# KiCad board chastity.kicad_pcb (continued)
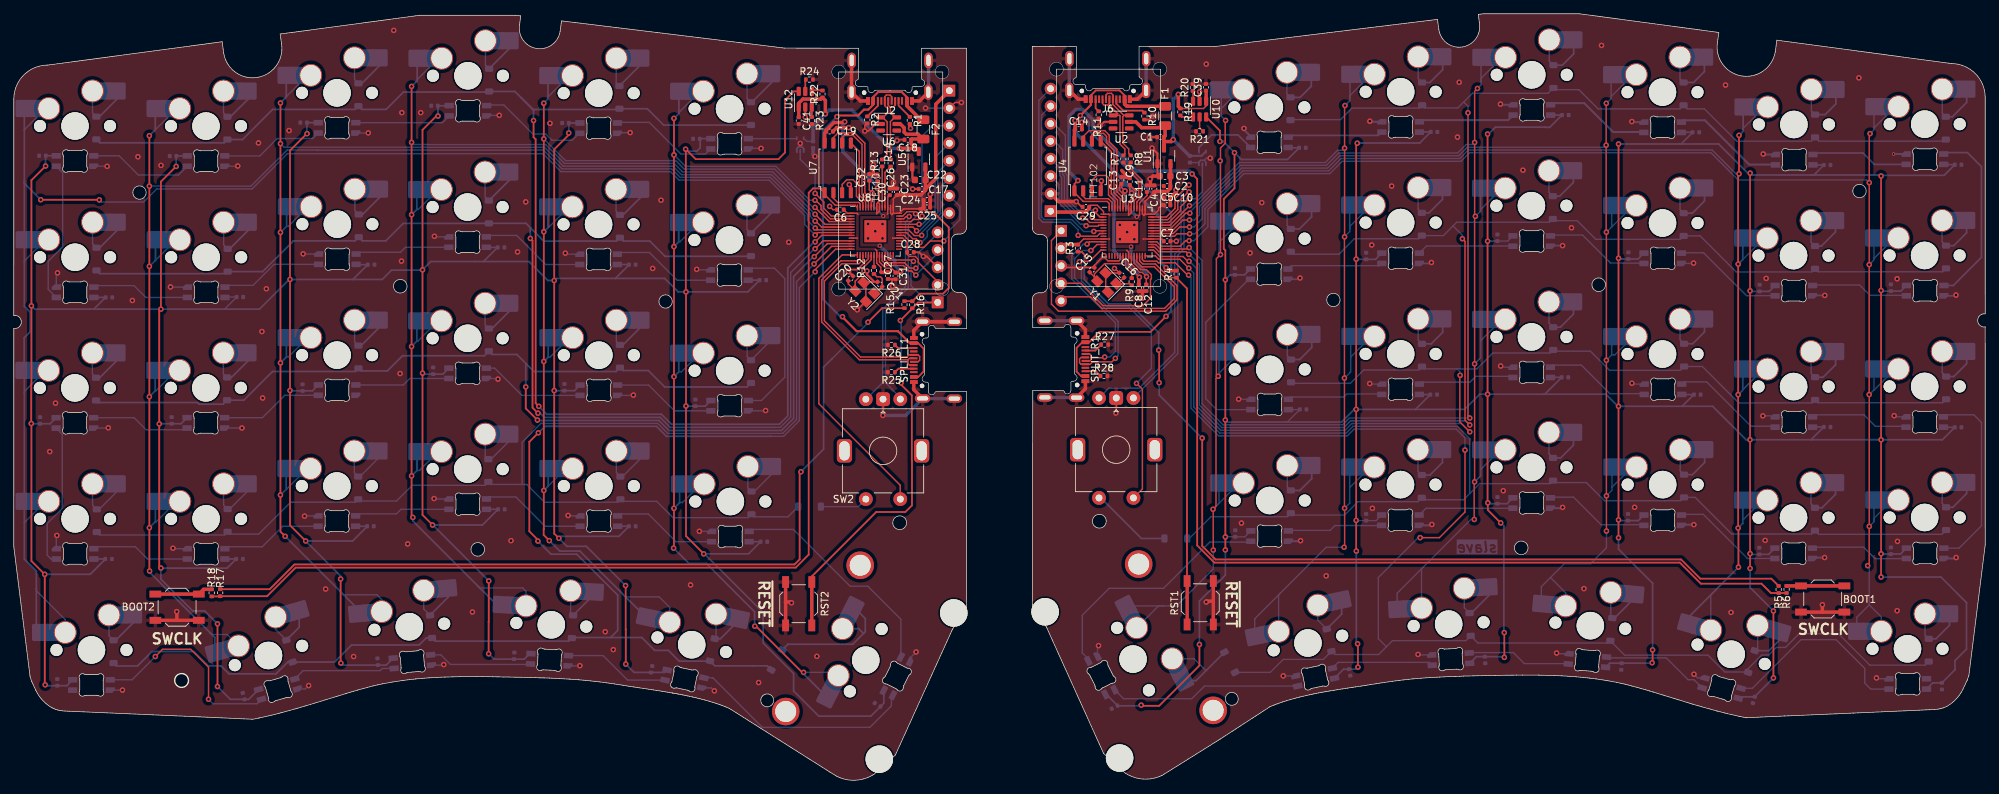
[diagram p0: board, top side]
## Routing (per net, layer and track width the routed paths; a pad name or vN(x,y) marks a point on that pad's centre or on a via; arc(x,y) is an arc through that point) (continued)
row 1: length 200.8
  Top w0.2: v1(211.3,51.55) 210.6,52.25 210.6,78.19 v1(210.23,78.56) ; U3.30 165.55,77.32 166.19,76.68 170.13,76.68 v1(170.53,76.28)
  Bottom w0.2: 223.59,81.18 226.88,81.18 229.59,78.47 241.84,78.47 D9.1 244.73,78.97 249.95,73.74 260.94,73.74 D8.1 261.83,73.76 279.91,73.76 D7.1 ; D10.1 222.87,80.96 209.41,80.96 208.87,80.42 ; 208.87,80.42 210.23,79.06 v1(210.23,78.56) ; 208.87,80.42 207.47,79.02 D11.1 203.88,78.56 194.53,78.56 192.3,76.32 185.68,76.32 D12.1 ; v1(170.53,76.28) 170.61,76.28 172.05,74.84 172.05,54.45 175.33,51.17 193.03,51.17 194.01,52.15 210.7,52.15 v1(211.3,51.55)
row 1_L: length 197.7
  Top w0.2: U8.11 117.44,78.25 v1(116.29,77.11)
  Top w0.25: v1(74.96,78.6) 75.28,78.29 75.28,54.04 v1(76.07,53.25)
  Bottom w0.2: 110.43,51.2 111.26,51.2 112.75,52.68 112.75,73.66 116.19,77.11 v1(116.29,77.11)
  Bottom w0.25: 75.07,80.06 74.34,80.79 D41.1 ; 75.07,80.06 74.96,79.96 v1(74.96,78.6) ; 75.07,80.06 76.91,78.22 87.46,78.22 D40.1 88.45,78.22 92.29,78.22 94.51,76.01 106.94,76.01 ; 68.94,80.79 56.52,80.79 53.98,78.25 50.59,78.25 D42.1 49.52,78.25 40.57,78.25 36.11,73.79 D43.1 ; 110.43,51.2 95.25,51.2 93.81,52.64 76.99,52.64 76.39,53.25 v1(76.07,53.25) ; 30.74,73.49 12.47,73.49 D44.1
row 2: length 180.3
  Top w0.2: v1(211.3,50.55) 209.86,51.99 209.86,58.71 v1(209.9,58.75) ; v1(170.56,75.28) 170.38,75.28 169.68,75.98 166.32,75.98 165.38,76.92 U3.29
  Bottom w0.2: 185.5,57.59 193.96,57.59 195.89,59.51 200.29,59.51 200.3,59.51 203.86,59.51 D17.1 ; 209.46,59.68 212.33,59.68 214.63,61.98 222.96,61.98 D16.1 ; 209.46,59.68 209.9,59.24 v1(209.9,58.75) ; 209.46,59.68 204.69,59.68 ; D13.1 279.92,54.76 261.82,54.76 D14.1 260.97,54.74 250.33,54.74 245.05,60.03 D15.1 241.84,59.46 231.58,59.46 228.79,62.25 223.58,62.25 ; v1(170.56,75.28) 170.6,75.28 171.65,74.24 171.65,54.29 175.16,50.77 193.2,50.77 194.17,51.75 210.1,51.75 v1(211.3,50.55)
row 2_L: length 180
  Top w0.2: U8.12 118.06,77.85 v1(116.17,75.96)
  Top w0.25: v1(75.99,52.26) 74.3,53.95 v1(74.3,57.07)
  Bottom w0.25: 74.36,60.41 75.48,59.29 87.4,59.29 D46.1 88.38,59.44 92.08,59.44 94.47,57.06 106.4,57.06 D45.1 ; 74.36,60.41 73.01,61.77 69.4,61.77 68.94,62.24 68.29,61.58 56.41,61.58 54.21,59.38 50.39,59.38 D48.1 49.57,59.31 37.56,59.31 33.39,55.14 D49.1 30.38,54.56 26.89,54.56 26.65,54.8 12.23,54.8 D50.1 ; 74.36,60.41 74.3,60.35 v1(74.3,57.07) ; v1(116.17,75.96) 116.05,75.96 113.17,73.08 113.17,52.51 111.41,50.75 95.07,50.75 93.62,52.19 76.23,52.19 76.17,52.26 v1(75.99,52.26)
row 3: length 195.1
  Top w0.2: U3.28 165.65,76.08 166.16,75.58 169.22,75.58 v1(170.52,74.28)
  Bottom w0.2: 185.6,38.47 193.13,38.47 195.06,40.41 203.76,40.41 D23.1 ; 211.32,41.62 211.29,41.64 211.29,49.54 209.49,51.35 194.34,51.35 193.36,50.37 175,50.37 171.25,54.12 171.25,73.56 v1(170.52,74.28) ; 211.32,41.62 210.39,40.69 204.62,40.69 ; 211.32,41.62 212.73,43.04 222.95,43.04 D22.1 ; D19.1 279.8,35.69 261.93,35.69 D20.1 260.89,35.72 249.32,35.72 244,41.04 D21.1 241.91,40.56 239.59,40.56 239.57,40.55 230.85,40.55 228.21,43.19 223.66,43.19 ; D24.1 184.82,38.24 173.74,38.24 170.58,35.08
row 3_L: length 186.5
  Top w0.2: U8.13 118.68,77.45 v1(116.14,74.9)
  Bottom w0.2: D57.1 12.46,35.58 30.57,35.58 D56.1 ; D55.1 49.56,40.34 40.17,40.34 35.55,35.71 31.35,35.71 ; 73.77,42.91 74.45,42.91 77.02,40.34 87.61,40.34 D53.1 ; 73.77,42.91 69.23,42.91 D54.1 68.38,42.79 57.82,42.79 55.55,40.51 50.23,40.51 ; 73.77,42.91 73.77,49.04 76.5,51.77 93.44,51.77 94.89,50.32 111.59,50.32 113.6,52.33 113.6,72.35 116.14,74.89 v1(116.14,74.9) ; 88.33,40.46 93.3,40.46 95.66,38.1 106.56,38.1 D52.1 107.44,38.21 112.35,38.21 D51.1
row 4: length 218.2
  Top w0.2: v1(170.49,73.28) 170.36,73.28 168.56,75.08 166.1,75.08 166.08,75.1 ; 166.08,75.1 165.87,75.31 164.02,75.31 163.78,75.55 U3.27 ; v1(210.6,47.9) 210.6,38.9 206.89,35.2 v1(204.09,35.2)
  Bottom w0.2: D30.1 182.33,15.66 184.21,17.54 190.05,17.54 D29.1 191.68,18.25 198.07,18.25 199.2,19.37 ; v1(210.6,47.9) 210.6,49.67 209.32,50.95 194.51,50.95 193.53,49.97 174.83,49.97 170.85,53.96 170.85,72.93 v1(170.49,73.28) ; 199.2,19.37 200.09,20.26 210.74,20.26 D28.1 212.48,19.91 231.36,19.91 D27.1 231.69,20.22 233.76,18.15 245.87,18.15 248.31,15.71 251.63,15.71 ; 199.2,19.37 198.02,20.54 198.02,29.41 203.81,35.2 v1(204.09,35.2) ; D25.1 277.38,16.7 269.34,16.7 264.8,21.25 259.09,21.25 257.11,19.28 255.78,19.28 254.68,18.18 253.67,18.18 251.69,16.19 D26.1
row 4_L: length 209.8
  Top w0.2: U8.14 119.27,77.05 116.3,74.08 v1(116.3,73.77)
  Top w0.25: v1(76.06,34.7) 76.06,34.88 74.81,36.12 74.81,49.09 v1(76.13,50.41)
  Bottom w0.2: v1(116.3,73.77) 114,71.47 114,52.17 111.73,49.9 109.67,49.9
  Bottom w0.25: D59.1 101.74,16.6 109.33,16.6 D58.1 ; v1(76.06,34.7) 77.95,32.8 81.7,32.8 87.64,26.85 87.64,21.74 86.61,20.7 ; D63.1 14.9,16.58 17.96,16.58 20.06,18.68 26.14,18.68 28.22,16.6 30.07,16.6 31.22,15.45 38.06,15.45 39.76,17.15 D62.1 46.55,17.15 49.03,19.63 58.83,19.63 59.85,20.65 D61.1 61.15,20.19 80.55,20.19 D60.1 ; 86.61,20.7 91.15,20.7 93,18.84 94.99,18.84 96.55,17.28 101.01,17.28 ; 86.61,20.7 81.07,20.7 ; 109.94,49.9 94.72,49.9 93.27,51.34 77.08,51.34 76.15,50.41 v1(76.13,50.41)
rst: length 26.5
  Top w0.2: U3.7 156.83,79.72 v1(156.73,79.62)
  Bottom w0.2: v1(156.73,79.62) 155.26,79.62 153.52,81.35 149.51,81.35 149.16,81.71 149.16,96.49 J1.7
rst_L: length 15.8
  Top w0.2: U8.34 129.16,79.05 130.91,77.3 132.07,77.3 132.99,78.22 v1(134.96,78.22)
  Bottom w0.2: v1(134.96,78.22) 135.65,78.91 135.65,79.66 137.3,81.32 137.3,83.26 J3.7
SK6803_EN: length 1.5
  Top w0.2: 171.14,99.97 U10.3
SK6803_EN_L: length 1.4
  Top w0.25: R23.1 U12.3
SK6803_NFAULT: length 1.9
  Top w0.2: R19.2 169.51,96.22 U10.4
SK6803_NFAULT_L: length 1.3
  Top w0.25: R22.2 117.33,100.1 116.12,100.1
Split_5v5_L: length 138
  Top w0.25: SPLIT_L1.A9 131.25,63.41 132.04,62.62 132.04,59.31 131.25,58.51 SPLIT_L1.A4 ; J6.A4 161.2,99.35 160.48,100.08 157.03,100.08 156.3,99.35 J6.A9 ; v1(167.22,67.3) 164.97,65.05 157.55,65.05 156.04,63.54 SPLIT_R1.A4 155.05,63.54 154.24,62.73 154.24,59.28 154.88,58.64 SPLIT_R1.A9
  Top w0.3: v1(154.77,96.44) 156.3,97.96 J6.A9 ; v1(119.47,96.27) 119.64,96.44 122.53,96.44 123.37,97.28 124,97.28 124.7,97.99 J2.A9 124.7,99.1 125.45,99.85 128.85,99.85 129.6,99.1 J2.A4 ; v1(120.26,67.25) 120.26,67.2 122.31,65.15 128.3,65.15 130.04,63.41 SPLIT_L1.A9
  Top w0.5: J2.A4 129.6,97.84 131.62,95.82 ; F1.1 161.68,97.77 161.65,97.8 161.49,97.8 161.2,98.09 J6.A4
  Bottom w0.3: v1(119.47,96.27) 117.42,94.22 117.42,69.81 119.98,67.25 v1(120.26,67.25) ; v1(154.77,96.44) 155,96.21 155.29,96.21 156.03,95.46 156.03,94.26 161.08,89.22 161.1,89.22 167.96,82.35 167.96,78.53 167.94,78.51 167.94,77.89 167.96,77.87 167.96,68.04 v1(167.22,67.3)
SWC: length 22.5
  Top w0.2: U3.24 162.58,75.03 163.53,74.08 164.36,74.08 165.09,73.35 165.09,72.77 164.96,72.65 164.96,69.95 163.87,68.85 158.1,68.85 154.86,72.09 J4.4
SWC_L: length 11.1
  Top w0.2: U8.24 126.03,75.35 126.7,74.68 129.1,74.68 129.89,73.88 130.3,73.88 v1(130.9,73.29)
  Bottom w0.2: v1(130.9,73.29) 134.07,76.46
SWD: length 27.5
  Top w0.2: J4.5 152.57,70.13 156.26,70.13 157.93,68.45 167,68.45 168.41,69.86 168.41,71.59 165.52,74.48 163.7,74.48 162.98,75.2 U3.25
SWD_L: length 12
  Top w0.2: v1(130.9,74.28) 130.07,74.28 129.28,75.08 126.87,75.08 126.43,75.51 U8.25
  Bottom w0.2: v1(130.9,74.28) 131.26,74.64 131.26,76.5 134.07,79.32
XIN: length 8
  Top w0.2: 157.24,72.6 C15.2 ; U3.20 160.98,75.2 160.73,74.95 158.3,74.95 156.83,73.47 156.83,72.8
XIN_L: length 8
  Top w0.2: Y2.3 121.11,72.02 C20.2 ; U8.20 124.43,75.51 123.11,74.19 123.11,73.4 122.1,72.4 122.1,71.02
XOUT: length 3.6
  Top w0.2: R9.1 162.24,73.53 161.38,74.39 U3.21
XOUT_L: length 1.7
  Top w0.2: U8.21 124.83,74.47
Net-(BOOT1-Pad2): length 8.4
  Top w0.5: 257.28,28.2 BOOT1.2 BOOT1.2
Net-(BOOT2-Pad2): length 8.5
  Top w0.5: BOOT2.2 BOOT2.2 27.54,27.7 R18.2
Net-(C16-Pad1): length 3.6
  Top w0.2: Y1.1 162.03,72.03 R9.2 ; 160.23,72.03 C16.1
Net-(C21-Pad1): length 4
  Top w0.2: R12.2 125.24,73.04 125.77,73.04 126.03,72.78 126.03,71.63 ; C21.1 125.05,70.65
Net-(D1-A): length 10
  Bottom w0.2: D1.2 279.86,96.77 279.86,100.26
  Bottom w0.25: MX1.2 283.41,98.34 281.32,96.25 D1.2
Net-(D2-A): length 9.6
  Bottom w0.2: D2.2 260.87,97.11 MX2.2
  Bottom w0.25: MX2.2 264.42,98.13 262.86,96.57 D2.2
Net-(D3-A): length 9.7
  Bottom w0.2: MX3.2 241.8,101.74 D3.2
  Bottom w0.25: MX3.2 245.35,102.8 243.77,101.23 D3.2
Net-(D4-A): length 9.6
  Bottom w0.2: MX4.2 222.83,104.34 D4.2
  Bottom w0.25: MX4.2 226.38,105.39 224.73,103.74 D4.2
Net-(D5-A): length 9.6
  Bottom w0.2: MX5.2 203.81,101.8 D5.2
  Bottom w0.25: MX5.2 207.36,103.08 205.5,101.23 D5.2
Net-(D6-A): length 9.6
  Bottom w0.2: D6.2 184.75,99.6 MX6.2
  Bottom w0.25: 188.3,102.7 188.3,100.7 186.67,99.07 D6.2
Net-(D7-A): length 9.4
  Bottom w0.2: D7.2 279.84,78.13 MX7.2
  Bottom w0.25: 283.39,81.21 283.39,79.41 281.54,77.56 D7.2
Net-(D8-A): length 9.4
  Bottom w0.2: MX8.2 260.82,78.08 D8.2
  Bottom w0.25: MX8.2 264.37,79.55 262.32,77.5 D8.2
Net-(D9-A): length 9.5
  Bottom w0.2: 241.81,85.92 241.81,82.79 D9.2
  Bottom w0.25: D9.2 243.59,82.27 245.36,84.03 MX9.2
Net-(D10-A): length 9.5
  Bottom w0.2: D10.2 222.78,85.3 MX10.2
  Bottom w0.25: MX10.2 226.33,86.73 224.33,84.73 D10.2
Net-(D11-A): length 9.3
  Bottom w0.2: D11.2 203.8,82.86 MX11.2
  Bottom w0.25: D11.2 205.37,82.32 207.34,84.29 207.34,85.86
Net-(D12-A): length 9.6
  Bottom w0.2: MX12.2 184.79,80.51 D12.2
  Bottom w0.25: D12.2 186.57,79.98 188.34,81.75 MX12.2
Net-(D13-A): length 9.4
  Bottom w0.2: D13.2 279.85,59.14 MX13.2
  Bottom w0.25: MX13.2 283.4,60.43 281.54,58.57 D13.2
Net-(D14-A): length 9.6
  Bottom w0.2: D14.2 260.83,59.05 MX14.2
  Bottom w0.25: D14.2 262.58,58.48 264.38,60.28 MX14.2
Net-(D15-A): length 9.4
  Bottom w0.2: D15.2 241.81,63.91 241.81,66.91
  Bottom w0.25: D15.2 243.64,63.33 245.36,65.04 MX15.2
Net-(D16-A): length 9.4
  Bottom w0.2: MX16.2 222.79,66.35 D16.2
  Bottom w0.25: MX16.2 226.34,67.62 224.44,65.73 D16.2
Net-(D17-A): length 9.5
  Bottom w0.2: D17.2 203.81,63.86 MX17.2
  Bottom w0.25: D17.2 205.69,63.31 207.36,64.98 MX17.2
Net-(D18-A): length 9.5
  Bottom w0.2: 184.81,64.68 184.81,61.58 D18.2
  Bottom w0.25: D18.2 186.61,61.03 188.36,62.78 MX18.2
Net-(D19-A): length 9.3
  Bottom w0.2: D19.2 279.85,40.16 MX19.2
  Bottom w0.25: MX19.2 283.4,41.6 281.4,39.6 D19.2
Net-(D20-A): length 9.4
  Bottom w0.2: MX20.2 260.82,40.1 D20.2
  Bottom w0.25: MX20.2 264.37,41.49 262.41,39.53 D20.2
Net-(D21-A): length 9.5
  Bottom w0.2: D21.2 241.83,44.89 MX21.2
  Bottom w0.25: D21.2 243.61,44.34 245.38,46.1 MX21.2
Net-(D22-A): length 9.5
  Bottom w0.2: MX22.2 222.79,47.35 D22.2
  Bottom w0.25: D22.2 224.48,46.77 226.34,48.62 MX22.2
Net-(D23-A): length 9.6
  Bottom w0.2: D23.2 203.78,44.83 MX23.2
  Bottom w0.25: MX23.2 207.33,46.09 205.52,44.28 D23.2
Net-(D24-A): length 9.5
  Bottom w0.2: D24.2 184.81,42.57 184.81,45.66
  Bottom w0.25: D24.2 186.64,42.05 188.36,43.76 MX24.2
Net-(D25-A): length 9.3
  Bottom w0.2: D25.2 277.36,21.06 277.36,24.15
  Bottom w0.25: MX25.2 280.91,22.49 278.94,20.52 D25.2
Net-(D26-A): length 8.4
  Bottom w0.2: D26.2 253.07,19.22 MX26.2
  Bottom w0.25: D26.2 254.7,18.8 256.48,20.58
Net-(D27-A): length 8.1
  Bottom w0.2: D27.2 231.76,23.75 MX27.2
  Bottom w0.25: 235.3,26.54 232.29,23.53
Net-(D28-A): length 8.8
  Bottom w0.2: MX28.2 210.5,25.01 D28.2
  Bottom w0.25: MX28.2 214.05,26.79 211.51,24.25
Net-(D29-A): length 9.1
  Bottom w0.2: D29.2 189.24,23.23 MX29.2
  Bottom w0.25: D29.2 192.71,24.11 MX29.2
Net-(D30-A): length 13.3
  Bottom w0.2: MX30.2 171.29,17.63 172.97,15.95 173.07,15.95
  Bottom w0.25: D30.2 171.58,14.46 MX30.2
Net-(D31-A): length 11.9
  Bottom w0.25: D31.2 163.64,35.08 157.76,40.96 SW1.S1
Net-(D33-A): length 9.7
  Bottom w0.2: MX31.2 106.42,98.92 D33.2
  Bottom w0.25: MX31.2 109.97,101.22 107.11,98.36
Net-(D34-A): length 8.6
  Bottom w0.2: 87.43,104.76 87.43,101.19 D34.2
  Bottom w0.25: D34.2 90.98,103.81
Net-(D35-A): length 8.5
  Bottom w0.2: D35.2 68.45,103.76 MX33.2
  Bottom w0.25: D35.2 72,106.24
Net-(D36-A): length 9.2
  Bottom w0.2: 49.45,104.8 49.45,101.66 D36.2
  Bottom w0.25: 53,104.8 53,103.59 50.51,101.1 D36.2
Net-(D37-A): length 8.8
  Bottom w0.2: MX35.2 30.44,96.81 31,96.25
  Bottom w0.25: 31.44,96.25 33.99,98.8 MX35.2
Net-(D38-A): length 8.7
  Bottom w0.2: MX36.2 11.43,96.83 11.98,96.28
  Bottom w0.25: 12.44,96.28 14.98,98.81 MX36.2
Net-(D39-A): length 9.7
  Bottom w0.2: MX37.2 106.4,79.92 D39.2
  Bottom w0.25: MX37.2 109.95,82.31 D39.2
Net-(D40-A): length 8.7
  Bottom w0.2: D40.2 87.41,82.56 MX38.2
  Bottom w0.25: 88.43,82.01 90.96,84.54 MX38.2
Net-(D41-A): length 9.7
  Bottom w0.2: MX39.2 68.4,84.64 D41.2
  Bottom w0.25: MX39.2 71.95,87.1 D41.2
Net-(D42-A): length 9.1
  Bottom w0.2: MX40.2 49.5,82.65 50.06,82.09
  Bottom w0.25: 50.06,82.09 50.63,82.09 53.05,84.51 MX40.2
Net-(D43-A): length 9.5
  Bottom w0.2: D43.2 30.46,77.67 MX41.2
  Bottom w0.25: MX41.2 34.01,79.78 31.02,76.79
Net-(D44-A): length 8.7
  Bottom w0.2: D44.2 11.44,77.83 MX42.2
  Bottom w0.25: MX42.2 14.99,79.77 12.48,77.26
Net-(D45-A): length 8
  Bottom w0.2: MX43.2 106.43,61.49 D45.2 109.98,63.93
Net-(D46-A): length 7.5
  Bottom w0.2: D46.2 87.45,63.67 MX44.2
  Bottom w0.25: 88.4,63.16 91,65.75
Net-(D47-A): length 7.5
  Bottom w0.2: MX45.2 68.4,66.07 D47.2
  Bottom w0.25: 69.41,65.54 71.95,68.08
Net-(D48-A): length 7.6
  Bottom w0.2: MX46.2 49.46,63.61 D48.2
  Bottom w0.25: 50.4,63.05 53.01,65.66
Net-(D49-A): length 9
  Bottom w0.2: MX47.2 30.41,58.98 D49.2
  Bottom w0.25: D49.2 31.58,58.44 33.96,60.82 MX47.2
Net-(D50-A): length 7.9
  Bottom w0.2: D50.2 11.4,58.93 MX48.2
  Bottom w0.25: 14.95,60.89 12.47,58.4 D50.2
Net-(D51-A): length 7
  Bottom w0.2: D51.2 122.56,39.7 SW2.S1
Net-(D52-A): length 7.5
  Bottom w0.2: D52.2 106.53,42.42 MX49.2 ; 107.48,41.89 110.08,44.5
Net-(D53-A): length 7.7
  Bottom w0.2: MX50.2 87.45,44.64 D53.2 ; 88.34,44.06 91,46.72
Net-(D54-A): length 7.6
  Bottom w0.2: 69.26,46.58 71.96,49.28 ; D54.2 68.41,47.04 MX51.2
Net-(D55-A): length 7.8
  Bottom w0.2: MX52.2 49.42,44.62 D55.2 ; 50.24,44.06 52.97,46.79
Net-(D56-A): length 7.7
  Bottom w0.2: MX53.2 30.44,39.92 D56.2 ; 31.32,39.34 33.99,42.01
Net-(D57-A): length 7.6
  Bottom w0.2: 12.39,39.31 14.98,41.9 ; MX54.2 11.43,39.91 D57.2
Net-(D58-A): length 20.8
  Bottom w0.25: 123.32,21.3 123.57,21.55 123.57,23.46 MX55.2 ; 123.32,21.3 121.75,19.73 112.35,19.73 D58.2 ; 123.32,21.3 122.62,21.99 MX55.2
Net-(D59-A): length 8.5
  Bottom w0.2: D59.2 101.92,20.73 MX56.2
  Bottom w0.25: MX56.2 102.56,20.53 D59.2
Net-(D60-A): length 8.2
  Bottom w0.2: D60.2 80.81,24.28 MX57.2
  Bottom w0.25: D60.2 84.35,27.11
Net-(D61-A): length 9
  Bottom w0.2: MX58.2 59.49,24.85 D61.2
  Bottom w0.25: MX58.2 63.02,26.55 D61.2
Net-(D62-A): length 9.1
  Bottom w0.2: MX59.2 38.01,21.87 D62.2
  Bottom w0.25: MX59.2 41.42,22.19 D62.2
Net-(D63-A): length 7.6
  Bottom w0.2: 14.47,20.31 13.81,20.97 MX60.2
  Bottom w0.25: 14.79,20.31 17.36,22.88
Net-(J2-CC1): length 2.3
  Top w0.25: 130.04,96.24 128.4,97.88
Net-(J2-CC2): length 2.9
  Top w0.25: R2.1 125.4,97.85 J2.B5
Net-(J6-CC1): length 5.3
  Top w0.25: R10.1 163.79,97.14 161,97.14 160,98.14 J6.A5
Net-(J6-CC2): length 1.9
  Top w0.25: J6.B5 157,97.49 R11.1
Net-(LED1-DOUT): length 15.5
  Bottom w0.2: 87.58,95.44 92.22,95.44 96.81,90.85 100.38,90.85 100.93,91.4
Net-(LED2-DOUT): length 15.8
  Bottom w0.2: 81.95,93.75 81.05,92.85 78.1,92.85 77.2,93.75 76.76,93.75 76.76,93.75 75.34,93.75 71.14,97.95 68.59,97.95
Net-(LED3-DOUT): length 14
  Bottom w0.2: LED3.2 62.2,95.39 LED4.3
Net-(LED4-DOUT): length 14.9
  Bottom w0.2: LED4.2 43.39,93.1 38.23,93.1 35.7,90.57 LED5.3
Net-(LED5-DOUT): length 15.2
  Bottom w0.2: LED5.2 23.9,87.8 18.08,87.8 15.3,90.58 LED6.3
Net-(LED7-DIN): length 15.3
  Bottom w0.2: LED7.3 96.27,72.54 92.25,76.56 87.83,76.56 LED8.2
Net-(LED8-DIN): length 15.4
  Bottom w0.2: LED8.3 77.19,74.82 72.97,79.04 68.8,79.04 LED9.2
Net-(LED10-DIN): length 15
  Bottom w0.2: LED11.2 30.89,71.79 34.71,71.79 37.77,74.84 LED10.3
Net-(LED10-DOUT): length 13.9
  Bottom w0.2: LED9.3 56.85,77.32 56.13,76.6 49.94,76.6 LED10.2
Net-(LED11-DIN): length 14.4
  Bottom w0.2: LED11.3 19.17,70.04 17.45,71.76 11.84,71.76 LED12.2
Net-(LED12-DIN): length 20.8
  Bottom w0.2: LED12.3 5,71.22 5,75.29 7.1,77.39 7.1,88.15 LED6.2
Net-(LED13-DIN): length 27
  Bottom w0.2: LED13.3 108.51,55.09 111.9,58.48 111.9,72.77 110.37,74.29 106.83,74.29 LED7.2
Net-(LED13-DOUT): length 15.1
  Bottom w0.2: LED13.2 95.87,53.59 92.13,57.33 LED14.3
Net-(LED14-DOUT): length 15.2
  Bottom w0.2: LED14.2 73.74,55.83 69.79,59.79 LED15.3
Net-(LED15-DOUT): length 13.9
  Bottom w0.2: LED16.3 56.53,57.34 57.47,58.29 LED15.2
Net-(LED16-DOUT): length 14.9
  Bottom w0.2: LED16.2 39.33,55.84 36.08,52.6 LED17.3
Net-(LED17-DOUT): length 14.4
  Bottom w0.2: LED17.2 24.9,50.85 19.21,50.85 17.47,52.59 LED18.3
Net-(LED18-DOUT): length 21.3
  Bottom w0.2: LED18.2 7.03,50.2 7.03,39.45 4.85,37.26 4.85,32.66 5.41,32.1 LED24.3
Net-(LED19-DIN): length 15.4
  Bottom w0.2: LED19.3 96.1,34.61 92.08,38.63 87.91,38.63 LED20.2
Net-(LED19-DOUT): length 33
  Bottom w0.2: LED19.2 107,36.39 113.13,36.39 121.37,28.16 123.93,28.16 128.73,23.35 LED25.3
Net-(LED20-DIN): length 15.5
  Bottom w0.2: LED21.2 68.89,41.1 72.86,41.1 77.11,36.85 LED20.3
Net-(LED21-DIN): length 13.9
  Bottom w0.2: LED22.2 49.9,38.65 55.53,38.65 56.19,39.31 LED21.3
Net-(LED22-DIN): length 14.9
  Bottom w0.2: LED22.3 39.04,36.86 36.06,33.88 30.91,33.88 LED23.2
Net-(LED23-DIN): length 14.4
  Bottom w0.2: LED24.2 11.9,33.87 17.64,33.87 19.41,32.1 LED23.3
Net-(LED25-DOUT): length 33.1
  Bottom w0.2: LED26.3 101.45,14.87 108.64,7.67 124.23,7.67 127.36,10.8 127.36,12.11 LED25.2
Net-(LED26-DOUT): length 15.5
  Bottom w0.2: LED27.3 85.52,18.09 89.08,14.53 LED26.2
Net-(LED27-DOUT): length 15.1
  Bottom w0.2: LED27.2 74.9,16.8 63.37,16.8 61.98,18.2 LED28.3
Net-(LED28-DOUT): length 15.1
  Bottom w0.2: LED28.2 53.48,16.23 53.16,15.9 41.99,15.9 LED29.3
Net-(LED29-DOUT): length 30.1
  Top w0.2: v1(28.26,11.75) 28.26,16.41 25.67,19.01 21.6,19.01 v1(20.54,17.96)
  Bottom w0.2: v1(20.54,17.96) 17.17,14.58 LED30.3 ; v1(28.26,11.75) 28.91,11.1 35.31,11.1 LED29.2
Net-(LED31-DOUT): length 13.7
  Bottom w0.25: 185.21,93.15 185.62,93.55 198.01,93.55 198.55,94.1
Net-(LED32-DOUT): length 13.9
  Bottom w0.3: LED33.3 216.85,95.77 204.17,95.77 204,95.6
Net-(LED33-DOUT): length 15.2
  Bottom w0.3: 223.1,98.07 223.26,98.23 227.91,98.23 232.09,94.05 236.48,94.05
Net-(LED34-DOUT): length 16.3
  Bottom w0.3: 242.07,95.55 242.26,95.74 245.43,95.74 251.84,89.32 255.6,89.32
Net-(LED35-DOUT): length 14.2
  Bottom w0.25: 261.15,90.82 261.32,91 268.35,91 270,89.35 LED36.3
Net-(LED36-DOUT): length 26.7
  Bottom w0.25: LED42.3 281.46,71.78 285.54,75.86 285.54,89.02 283.51,91.05 280.28,91.05 LED36.2
Net-(LED37-DIN): length 13.8
  Bottom w0.2: LED38.2 198.2,74.65 185.39,74.65 185.05,74.31
Net-(LED37-DOUT): length 27.1
  Bottom w0.2: 179.23,72.68 172.99,66.44 172.99,55.34 174.56,53.77 LED43.3
Net-(LED38-DIN): length 13.8
  Bottom w0.2: LED39.2 217.52,77.5 205,77.5 204.1,76.6
Net-(LED39-DIN): length 15.1
  Bottom w0.2: 223.11,79.09 227.66,79.09 231.73,75.02 236.52,75.02
Net-(LED40-DIN): length 16.1
  Bottom w0.2: 242.06,76.52 245.22,76.52 251.44,70.3 255.57,70.3 LED41.2
Net-(LED41-DIN): length 14.1
  Bottom w0.2: 261.12,71.85 267.86,71.85 269.36,70.35 274.58,70.35
Net-(LED43-DOUT): length 13.8
  Bottom w0.2: LED43.2 185.31,55.6 193.01,55.6 193.45,56.05 198.45,56.05
Net-(LED44-DOUT): length 13.8
  Bottom w0.2: 204.05,57.55 204.25,57.75 211.32,57.75 212.16,58.6 217.38,58.6
Net-(LED45-DOUT): length 15.1
  Bottom w0.2: 236.5,56.09 231.62,56.09 227.48,60.23 223.3,60.23 223.17,60.1
Net-(LED46-DOUT): length 16.2
  Bottom w0.2: 255.45,51.37 252.09,51.37 245.67,57.79 242.37,57.79 LED46.2
Net-(LED47-DOUT): length 14
  Bottom w0.2: 261.2,52.87 261.34,53.01 268.49,53.01 270.16,51.35 274.48,51.35
Net-(LED48-DOUT): length 27.9
  Bottom w0.2: LED48.2 280.34,53.02 284.45,53.02 285.55,51.91 285.55,36.93 282.3,33.68 LED54.3
Net-(LED49-DIN): length 13.7
  Bottom w0.2: 185.04,36.25 191.02,36.25 191.02,36.24 191.73,36.95 198.23,36.95 198.38,37.1
Net-(LED49-DOUT): length 35.8
  Bottom w0.2: LED49.2 179.39,34.55 173.56,34.55 166.86,27.85 158.96,27.85 155.06,23.95 155.06,18.48 156.08,17.46
Net-(LED50-DIN): length 13.8
  Bottom w0.2: 204.07,38.6 204.93,39.45 217.53,39.45 LED51.2
Net-(LED51-DIN): length 15.1
  Bottom w0.2: 236.58,37.07 230.34,37.07 226.34,41.07 223.1,41.07
Net-(LED52-DIN): length 16.2
  Bottom w0.2: 242.03,38.57 245.2,38.57 251.59,32.18 LED53.2
Net-(LED53-DIN): length 14.2
  Bottom w0.2: LED54.2 274.63,32.15 270.12,32.15 268.45,33.82 261.16,33.82
Net-(LED55-DOUT): length 27.9
  Bottom w0.2: LED55.2 161.05,11.83 170.95,11.83 172.79,13.67 LED56.3
Net-(LED56-DOUT): length 14.6
  Bottom w0.2: 191.56,16.48 192.19,17.1 205.43,17.1 205.78,16.75
Net-(LED57-DOUT): length 14.9
  Bottom w0.2: 225.52,16.93 219.21,16.93 217.61,18.53 211.27,18.53
Net-(LED58-DOUT): length 15.7
  Bottom w0.2: LED59.3 243.83,14.59 242.97,14.59 239.81,17.75 231.28,17.75 LED58.2
Net-(LED59-DOUT): length 28.6
  Bottom w0.2: LED59.2 252.31,13.35 259.37,20.41 264.44,20.41 268.61,16.23 268.61,14.1 269.48,13.23 LED60.3
Net-(R3-Pad1): length 138.6
  Top w0.25: R5.2 255.06,29.25 244.74,29.25 241.96,32.03 174.41,32.03 172.47,33.98 v1(172.47,49.64) ; v1(155.66,75.98) 154.95,76.68 R3.1 ; v1(166.22,57.68) 166.22,62.25 166.15,62.32 v1(166.15,62.41)
  Bottom w0.25: v1(155.66,75.98) 155.36,75.68 155.36,72.62 158.88,69.1 161.98,69.1 166.15,64.93 v1(166.15,62.41) ; v1(172.47,49.64) 166.22,55.89 v1(166.22,57.68)
Net-(R15-Pad1): length 130.5
  Top w0.25: 129.26,68.49 126,68.49 v1(123.96,66.45) ; v1(114.24,44.76) 114.04,44.56 114.04,32.06 113.29,31.3 40.72,31.3 37.14,27.72 R17.2
  Bottom w0.2: 118.75,61.15 123.96,66.36 v1(123.96,66.45)
  Bottom w0.25: 118.75,61.15 118.74,61.15 117.52,59.94 117.52,48.04 v1(114.24,44.76)
Net-(SPLIT_L1-CC1): length 2.9
  Top w0.25: SPLIT_L1.A5 128.38,59.71 R25.1
Net-(SPLIT_L1-CC2): length 2.9
  Top w0.25: SPLIT_L1.B5 128.31,62.71 R26.1
Net-(SPLIT_R1-CC1): length 2.6
  Top w0.25: SPLIT_R1.A5 156.94,62.34 R27.1
Net-(SPLIT_R1-CC2): length 2.5
  Top w0.25: R28.1 157.01,59.34 SPLIT_R1.B5
Net-(U3-USB_DM): length 7.9
  Top w0.2: R8.1 161.77,89.3 161.77,89.03 163.65,87.15 163.65,84.58 162.98,83.92 U3.46
Net-(U3-USB_DP): length 7.9
  Top w0.2: R7.1 161.37,89.29 161.37,88.86 163.25,86.98 163.25,84.75 162.58,84.08 U3.47
Net-(U8-USB_DM): length 6.3
  Top w0.2: R14.1 126.43,88.2 U8.46
Net-(U8-USB_DP): length 5.9
  Top w0.2: 126.03,89.03 U8.47

## Copper pours and planes (outline as drawn; the poured copper is in the pictures)
+1V1 on Top: 163.54,81.22 159.94,81.22 159.94,77.82 162.54,77.82 162.54,77.11 161.74,77.11 161.74,77.22 159.34,77.22 159.34,81.62 162.14,81.62 162.14,81.82 162.54,81.82 162.54,82.22 163.54,82.22
+1V1 on Top: 127.04,81.45 123.44,81.45 123.44,78.05 126.04,78.05 126.04,77.25 125.24,77.25 125.24,77.45 122.84,77.45 122.84,81.85 125.79,81.86 125.79,82.18 126.03,82.18 126.04,82.45 127.04,82.45
+3V3 on Top: 167.42,85.63 167.36,82.62 166.77,81.91 164.36,81.9 164.39,76.71 158.79,76.71 158.79,82.31 161.59,82.31 162.26,82.43 165.12,85.59
+3V3 on Top: 132.52,85.28 132.48,82.06 127.81,82.05 127.84,76.86 122.24,76.86 122.24,82.46 125.04,82.46 125.91,82.61 128.05,85.28
GND on Top, Bottom: -4.39,30.65 -3.94,106.49 58.79,114.77 72.88,114.77 109.92,110.49 174.28,110.62 212.53,115.22 227.51,115.37 291.14,107.3 290.05,26.65 286.94,6.64 251.55,3.89 228.23,10.42 208.66,10.19 195.09,8.86 183.08,5.75 163.04,-5.45 123.02,-5.67 102.58,5.52 91.24,8.41 76.34,10.19 56.1,9.97 34.97,3.52 -0.61,6.41

## Text on the board
Bottom: slave
B.Silkscreen: SW2
F.Silkscreen: ~{RESET} | SWCLK
